# Altium PCB DIOT_Kasli_Adapter.PcbDoc (part 3 of 10)
Units mm, origin at the board's own origin, x right, y up, seen from the top; angles counter-clockwise.
Board outline 220.04 x 100 mm, 12 copper layers (Top Layer, L2GND, L3, L4, L5GND, L6, L7, L8GND, L9, L10, L11GND, Bottom Layer), stack 1.691 mm thick; 201 components, 445 nets, 1582 pads, 691 vias.
Unrouted connection lines stored in the file: 4.
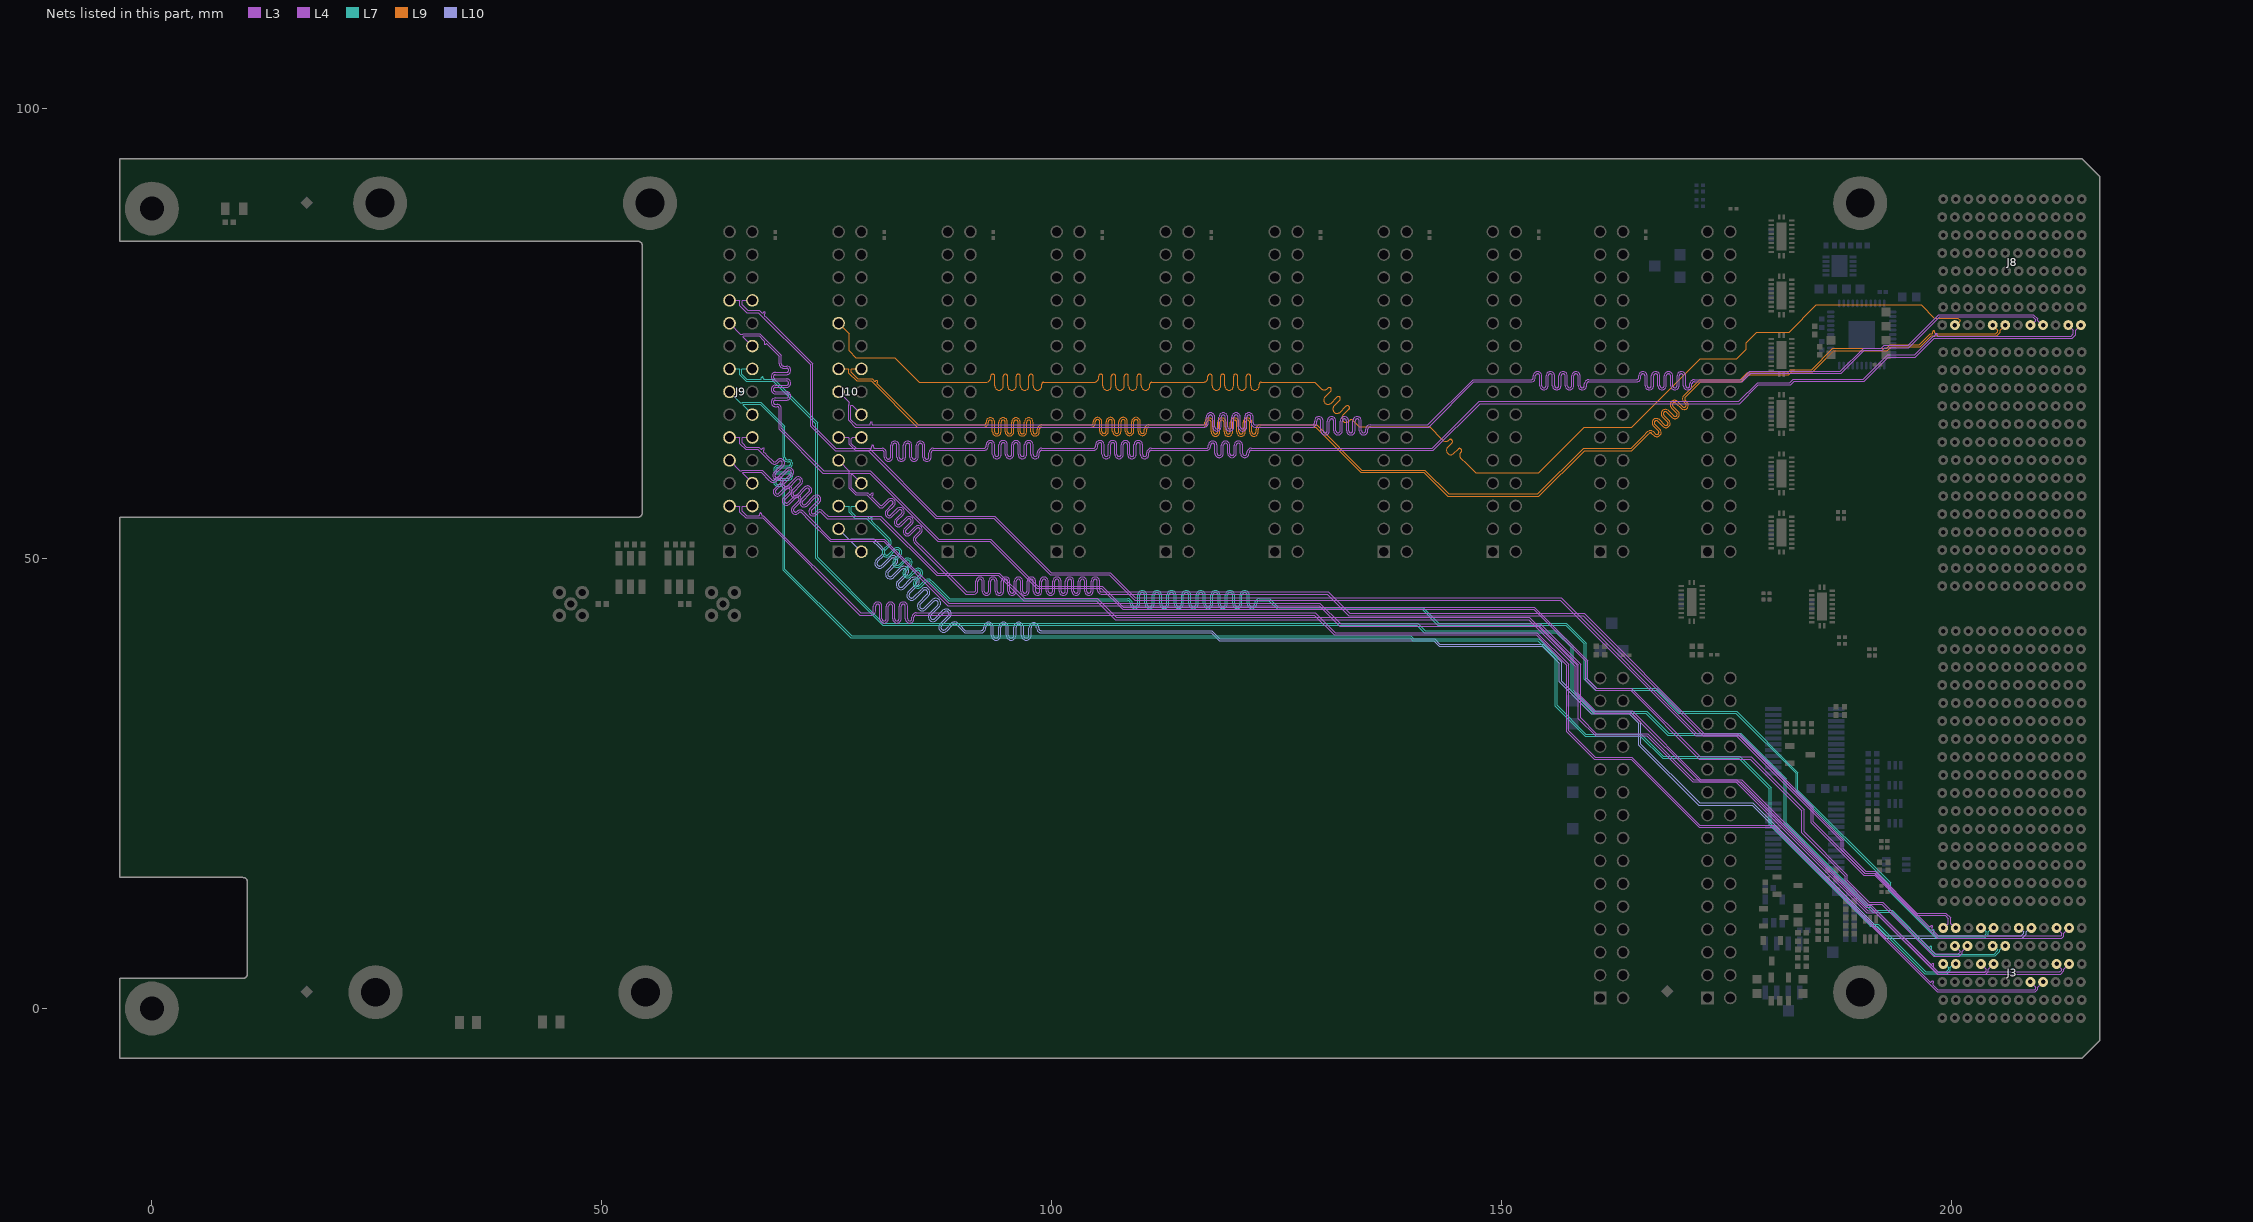
[diagram p13: the nets of this part, all layers, seen from the top]

## Via types
v1: diameter 0.5, hole 0.2, Top Layer to Bottom Layer, tented both sides, 649 vias
v2: diameter 0.5, hole 0.2, Top Layer to Bottom Layer, 32 vias
v3: diameter 0.65, hole 0.3, Top Layer to Bottom Layer, tented both sides, 6 vias
v4: diameter 0.8, hole 0.5, Top Layer to Bottom Layer, tented both sides, 4 vias

## Nets (pads, with @x,y where several pads share a name; then routed paths per layer and width w, separated by ;. In a path a pad name is that pad's centre, name@x,y a point inside that pad or via, vN(x,y) a via of type N, cw(c..) or ccw(c..) an arc to the next point about the centre after c; other vN are vias at no path point) (continued)
EXT0.LVDS_1_N: J3.E3 J9.6 | length 184.1
  L4 w0.089: J9.6@66.73,55.842 65.633,55.842 65.581,55.79 65.581,55.279 66.09,54.769 67.259,54.769 67.424,54.769 ccw(c67.424,54.877) 67.532,54.877 67.532,54.968 cw(c67.64,54.968) 67.748,54.968 67.748,54.877 ccw(c67.856,54.877) 67.856,54.769 67.964,54.769 68.224,54.508 78.77,43.963 79.781,43.963 79.947,43.963 ccw(c79.947,44.198) 80.181,44.198 80.181,44.694 cw(c80.658,44.694) 81.134,44.694 81.134,43.309 ccw(c81.369,43.309) 81.604,43.309 81.604,44.694 cw(c82.08,44.694) 82.556,44.694 82.556,43.309 ccw(c82.791,43.309) 83.026,43.309 83.026,44.694 cw(c83.503,44.694) 83.979,44.694 83.979,43.309 ccw(c84.214,43.309) 84.449,43.309 84.449,43.487 cw(c84.925,43.487) 84.925,43.963 85.932,43.963 129.292,43.963 131.481,41.774 153.92,41.774 157.455,38.239 157.455,30.88 160.41,27.925 164.478,27.925 172.036,20.367 180.215,20.367 197.585,2.996 197.617,2.965 ccw(c197.693,3.041) 197.769,2.965 197.813,3.009 cw(c197.89,2.932) 197.966,3.009 cw(c197.89,2.932) 197.966,2.856 197.922,2.812 ccw(c197.998,2.736) 197.922,2.659 198.195,2.386 198.49,2.091 209.223,2.091 209.348,2.216 209.348,2.371 J3.E3@208.769,2.95
EXT0.LVDS_1_P: J3.D3 J9.5 | length 184.1
  L4 w0.089: J9.5@64.19,55.842 65.287,55.842 65.339,55.79 65.339,55.179 65.99,54.528 67.864,54.528 78.67,43.721 79.781,43.721 79.947,43.721 ccw(c79.947,44.198) 80.423,44.198 80.423,44.694 cw(c80.658,44.694) 80.893,44.694 80.893,43.309 ccw(c81.369,43.309) 81.845,43.309 81.845,44.694 cw(c82.08,44.694) 82.315,44.694 82.315,43.309 ccw(c82.791,43.309) 83.268,43.309 83.268,44.694 cw(c83.503,44.694) 83.737,44.694 83.737,43.309 ccw(c84.214,43.309) 84.69,43.309 84.69,43.487 cw(c84.925,43.487) 84.925,43.721 85.932,43.721 129.192,43.721 131.381,41.533 153.82,41.533 157.213,38.139 157.213,30.78 160.31,27.684 164.378,27.684 171.936,20.125 180.115,20.125 198.39,1.85 209.323,1.85 209.589,2.116 209.589,2.371 J3.D3@210.169,2.95
EXT0.LVDS_2_N: J3.C4 J9.9 | length 184
  L4 w0.089: J9.9@64.19,60.922 65.338,59.774 65.546,59.774 65.601,59.83 67.804,59.83 68.745,58.889 68.862,58.772 ccw(c69.028,58.939) 69.194,58.773 69.388,58.967 69.392,58.967 cw(c69.689,58.594) 70.026,58.931 cw(c69.689,58.594) 70.026,58.258 69.353,57.585 ccw(c69.519,57.419) 69.352,57.253 ; 69.353,57.252 ccw(c69.519,57.419) 69.685,57.253 70.393,57.961 70.398,57.961 cw(c70.695,57.589) 71.032,57.925 cw(c70.695,57.589) 71.032,57.252 70.359,56.58 ccw(c70.525,56.413) 70.358,56.247 ; 70.359,56.246 ccw(c70.525,56.413) 70.691,56.247 71.399,56.955 71.403,56.955 cw(c71.701,56.583) 72.037,56.92 cw(c71.701,56.583) 72.037,56.246 71.365,55.574 ccw(c71.531,55.407) 71.364,55.241 ; 71.365,55.241 ccw(c71.531,55.407) 71.697,55.241 71.708,55.252 cw(c72.045,54.916) 72.382,55.252 73.174,54.46 75.46,52.174 81.405,52.174 88.557,45.022 129.807,45.022 132.093,42.736 154.315,42.736 158.77,38.28 158.77,32.295 160.536,30.529 166.233,30.529 171.346,25.415 176.665,25.415 190.595,11.485 191.065,11.485 198.489,4.061 212.037,4.061 212.248,4.272 212.248,4.371 J3.C4@211.669,4.95
EXT0.LVDS_2_P: J3.B4 J9.8 | length 184.1
  L4 w0.089: J9.8@66.73,58.382 65.649,59.463 65.649,59.536 65.701,59.589 67.704,59.589 68.574,58.719 68.69,58.603 ccw(c69.028,58.939) 69.364,58.602 69.522,58.76 ; 69.523,58.761 cw(c69.689,58.594) 69.855,58.761 cw(c69.689,58.594) 69.855,58.428 69.147,57.72 69.147,57.716 ccw(c69.519,57.419) 69.182,57.082 ccw(c69.519,57.419) 69.856,57.082 70.528,57.754 ; 70.529,57.755 cw(c70.695,57.589) 70.861,57.755 cw(c70.695,57.589) 70.861,57.423 70.153,56.714 70.153,56.71 ccw(c70.525,56.413) 70.862,56.076 71.534,56.749 ; 71.534,56.749 cw(c71.701,56.583) 71.867,56.749 cw(c71.701,56.583) 71.867,56.417 71.158,55.709 71.158,55.704 ccw(c71.531,55.407) 71.867,55.07 71.879,55.082 cw(c72.045,54.916) 72.211,55.082 73.003,54.29 75.36,51.933 81.305,51.933 88.457,44.78 129.707,44.78 131.993,42.494 154.215,42.494 158.529,38.18 158.529,32.195 160.436,30.287 166.133,30.287 171.246,25.174 176.565,25.174 190.495,11.244 190.965,11.244 198.389,3.82 212.137,3.82 212.489,4.172 212.489,4.371 J3.B4@213.069,4.95
EXT0.LVDS_3_N: J3.I4 J9.12 | length 184.1
  L3 w0.089: J9.12@66.73,63.462 65.633,63.462 65.581,63.41 65.581,62.884 66.065,62.399 67.44,62.399 67.497,62.341 67.656,62.183 ccw(c67.732,62.259) 67.808,62.183 67.882,62.257 cw(c67.958,62.18) 68.035,62.257 cw(c67.958,62.18) 68.035,62.104 67.961,62.03 ccw(c68.037,61.954) 67.961,61.878 68.145,61.694 68.348,61.49 69.025,60.814 ccw(c69.19,60.98) 69.357,60.814 69.53,60.988 69.535,60.988 cw(c69.832,60.616) 70.169,60.953 cw(c69.832,60.616) 70.169,60.279 69.295,59.405 ccw(c69.46,59.239) 69.294,59.073 ; 69.295,59.072 ccw(c69.46,59.239) 69.626,59.072 70.536,59.982 70.54,59.982 cw(c70.838,59.61) 71.174,59.947 cw(c70.838,59.61) 71.174,59.273 70.3,58.399 ccw(c70.466,58.233) 70.3,58.067 ; 70.3,58.066 ccw(c70.466,58.233) 70.632,58.067 71.542,58.976 71.546,58.976 cw(c71.843,58.604) 72.18,58.941 cw(c71.843,58.604) 72.18,58.268 71.306,57.394 ccw(c71.472,57.227) 71.305,57.061 ; 71.306,57.061 ccw(c71.472,57.227) 71.638,57.061 72.548,57.971 72.552,57.971 cw(c72.849,57.599) 73.186,57.935 cw(c72.849,57.599) 73.186,57.262 ; 72.311,56.056 cw(c72.478,56.221) 72.311,56.387 73.186,57.262 ; 72.312,56.055 ccw(c72.478,56.221) 72.644,56.055 73.554,56.965 73.558,56.965 cw(c73.855,56.593) 74.192,56.93 cw(c73.855,56.593) 74.192,56.256 73.318,55.382 ccw(c73.483,55.215) 73.317,55.05 ; 73.318,55.049 ccw(c73.483,55.215) 73.65,55.049 73.883,55.282 cw(c74.219,54.946) 74.556,55.282 74.673,55.166 75.146,54.693 81.004,54.693 87.312,48.385 94.177,48.385 96.982,45.58 105.042,45.58 107.15,43.472 153.086,43.472 158.427,38.131 158.427,35.067 160.428,33.066 164.529,33.066 172.15,25.444 176.11,25.444 190.67,10.884 191.698,10.884 197.633,4.949 197.665,4.917 ccw(c197.741,4.994) 197.817,4.917 197.852,4.952 cw(c197.928,4.876) 198.005,4.952 cw(c197.928,4.876) 198.005,4.8 197.97,4.765 ccw(c198.046,4.688) 197.97,4.612 198.09,4.492 198.546,4.036 203.697,4.036 203.848,4.187 203.848,4.371 J3.I4@203.269,4.95
EXT0.LVDS_3_P: J3.H4 J9.11 | length 184.1
  L3 w0.089: J9.11@64.19,63.462 65.287,63.462 65.339,63.41 65.339,62.784 65.965,62.158 67.34,62.158 68.178,61.32 68.853,60.644 ccw(c69.19,60.98) 69.527,60.644 69.665,60.782 cw(c69.832,60.616) 69.998,60.782 cw(c69.832,60.616) 69.998,60.45 69.088,59.54 69.088,59.536 ccw(c69.46,59.239) 69.797,58.902 70.671,59.776 cw(c70.838,59.61) 71.004,59.776 cw(c70.838,59.61) 71.004,59.444 70.094,58.534 70.094,58.53 ccw(c70.466,58.233) 70.129,57.896 ccw(c70.466,58.233) 70.803,57.896 71.677,58.77 cw(c71.843,58.604) 72.01,58.771 cw(c71.843,58.604) 72.01,58.438 71.1,57.528 71.1,57.524 ccw(c71.472,57.227) 71.809,56.89 72.683,57.764 cw(c72.849,57.599) 73.015,57.765 cw(c72.849,57.599) 73.015,57.432 72.106,56.523 72.106,56.519 ccw(c72.478,56.221) 72.814,55.885 73.688,56.758 ; 73.689,56.759 cw(c73.855,56.593) 74.021,56.759 cw(c73.855,56.593) 74.021,56.427 73.111,55.517 73.111,55.513 ccw(c73.483,55.215) 73.82,54.879 74.053,55.112 cw(c74.219,54.946) 74.386,55.112 74.502,54.995 75.046,54.451 80.904,54.451 87.212,48.144 94.077,48.144 96.882,45.339 104.942,45.339 107.05,43.231 152.986,43.231 158.185,38.031 158.185,34.967 160.328,32.825 164.429,32.825 172.051,25.203 176.01,25.203 190.57,10.643 191.598,10.643 198.446,3.795 203.797,3.795 204.089,4.087 204.089,4.371 J3.H4@204.669,4.95
EXT0.LVDS_4_N: J3.L4 J9.15 | length 184.2
  L7 w0.089: J9.15@64.19,68.542 64.274,68.542 64.274,68.458 65.386,67.346 65.637,67.346 65.663,67.373 67.674,67.373 70.354,64.693 70.354,62.052 70.354,61.239 ccw(c70.589,61.239) 70.589,61.004 70.751,61.004 cw(c70.751,60.554) 70.751,60.103 69.535,60.103 ccw(c69.535,59.868) 69.535,59.633 70.751,59.633 cw(c70.751,59.182) 70.751,58.731 69.535,58.731 ccw(c69.535,58.496) 69.535,58.261 69.903,58.261 cw(c69.903,57.81) 70.354,57.81 70.354,57.658 70.354,48.802 77.756,41.4 139.906,41.4 140.23,41.076 154.098,41.076 156.158,39.017 156.158,33.703 159.361,30.499 165.513,30.499 167.973,28.038 176.435,28.038 179.959,24.514 179.959,20.506 191.084,9.381 191.844,9.381 197.123,4.102 199.408,4.102 199.661,4.355 199.661,4.534 199.245,4.95 J3.L4@199.069,4.95
EXT0.LVDS_4_P: J3.K4 J9.14 | length 184.1
  L7 w0.089: J9.14@66.73,66.002 65.701,67.031 65.701,67.105 65.753,67.157 67.584,67.157 70.138,64.603 70.138,62.052 70.138,61.239 ccw(c70.589,61.239) 70.589,60.789 70.751,60.789 cw(c70.751,60.554) 70.751,60.319 69.535,60.319 ccw(c69.535,59.868) 69.535,59.417 70.751,59.417 cw(c70.751,59.182) 70.751,58.947 69.535,58.947 ccw(c69.535,58.496) 69.535,58.045 69.903,58.045 cw(c69.903,57.81) 70.138,57.81 70.138,57.658 70.138,48.713 77.666,41.184 139.817,41.184 140.14,40.86 154.009,40.86 155.942,38.927 155.942,33.613 159.272,30.283 165.423,30.283 167.884,27.822 176.345,27.822 179.743,24.424 179.743,20.416 190.945,9.214 190.945,9.165 191.754,9.165 197.033,3.886 199.497,3.886 199.877,4.265 199.877,4.561 200.266,4.95 J3.K4@200.469,4.95
EXT0.LVDS_5_N: J3.H5 J9.18 | length 184.2
  L7 w0.089: J9.18@66.73,71.082 65.59,71.082 65.538,71.03 65.538,70.507 66.114,69.932 67.386,69.932 67.634,69.932 ccw(c67.634,70.04) 67.742,70.04 67.742,70.088 cw(c67.85,70.088) 67.958,70.088 67.958,70.04 ccw(c68.066,70.04) 68.066,69.932 68.326,69.932 69.133,69.932 73.99,65.075 73.99,50.14 81.293,42.837 140.653,42.837 141.495,41.995 156.179,41.995 157.937,40.237 157.937,35.382 160.274,33.046 166.116,33.046 168.566,30.596 176.573,30.596 181.635,25.534 181.635,20.624 191.35,10.909 193.383,10.909 197.409,6.883 197.44,6.852 ccw(c197.517,6.928) 197.593,6.852 197.617,6.876 cw(c197.693,6.799) 197.769,6.876 cw(c197.693,6.799) 197.769,6.723 197.746,6.699 ccw(c197.822,6.623) 197.746,6.547 197.879,6.414 198.235,6.057 204.768,6.057 205.161,6.45 205.161,6.524 204.734,6.95 J3.H5@204.569,6.95
EXT0.LVDS_5_P: J3.G5 J9.17 | length 184.2
  L7 w0.089: J9.17@64.19,71.082 65.27,71.082 65.323,71.03 65.323,70.418 66.024,69.716 69.044,69.716 73.774,64.985 73.774,50.05 81.203,42.621 140.564,42.621 141.406,41.779 156.09,41.779 157.721,40.148 157.721,35.293 160.184,32.83 166.026,32.83 168.476,30.38 176.484,30.38 181.42,25.444 181.42,20.534 191.26,10.693 193.293,10.693 198.145,5.841 204.858,5.841 205.377,6.36 205.377,6.524 205.803,6.95 J3.G5@205.969,6.95
EXT0.LVDS_6_N: J3.K5 J9.21 | length 184
  L3 w0.089: J9.21@64.19,76.162 65.403,74.949 65.655,74.949 65.689,74.982 67.565,74.982 69.952,72.596 69.952,71.806 69.952,71.641 ccw(c70.187,71.641) 70.187,71.406 70.525,71.406 cw(c70.525,70.929) 70.525,70.453 69.298,70.453 ccw(c69.298,70.218) 69.298,69.983 70.525,69.983 cw(c70.525,69.507) 70.525,69.031 69.298,69.031 ccw(c69.298,68.796) 69.298,68.561 70.525,68.561 cw(c70.525,68.085) 70.525,67.608 69.298,67.608 ccw(c69.298,67.373) 69.298,67.139 69.475,67.139 cw(c69.475,66.662) 69.952,66.662 69.952,66.091 69.952,64.465 74.667,59.75 79.848,59.75 87.448,52.15 93.205,52.15 98.428,46.927 105.628,46.927 107.965,44.59 153.643,44.59 159.567,38.666 159.567,36.605 160.553,35.62 164.423,35.62 172.079,27.964 177.736,27.964 183.617,22.084 183.617,19.619 188.42,14.816 188.42,14.277 190.862,11.834 192.34,11.834 198.105,6.07 200.749,6.07 200.948,6.269 200.948,6.371 J3.K5@200.369,6.95
EXT0.LVDS_6_P: J3.J5 J9.20 | length 184.1
  L3 w0.089: J9.20@66.73,73.622 65.737,74.615 65.737,74.689 65.789,74.741 67.466,74.741 67.89,74.316 68.074,74.132 cw(c67.998,74.056) 68.074,73.98 ccw(c68.151,73.903) 68.074,73.827 ccw(c68.151,73.903) 68.227,73.827 cw(c68.303,73.751) 68.38,73.827 68.551,73.656 69.71,72.496 69.71,71.806 69.71,71.641 ccw(c70.187,71.641) 70.187,71.164 70.525,71.164 cw(c70.525,70.929) 70.525,70.695 69.298,70.695 ccw(c69.298,70.218) 69.298,69.742 70.525,69.742 cw(c70.525,69.507) 70.525,69.272 69.298,69.272 ccw(c69.298,68.796) 69.298,68.32 70.525,68.32 cw(c70.525,68.085) 70.525,67.85 69.298,67.85 ccw(c69.298,67.373) 69.298,66.897 69.475,66.897 cw(c69.475,66.662) 69.71,66.662 69.71,66.091 69.71,64.365 74.567,59.509 79.748,59.509 87.348,51.909 93.105,51.909 98.328,46.685 105.529,46.685 107.865,44.348 153.543,44.348 159.326,38.566 159.326,36.506 160.453,35.379 164.323,35.379 171.979,27.723 177.636,27.723 183.375,21.984 183.375,19.519 188.178,14.716 188.178,14.177 190.762,11.593 192.24,11.593 198.005,5.829 200.849,5.829 201.189,6.169 201.189,6.371 J3.J5@201.769,6.95
EXT0.LVDS_7_N: J3.C6 J9.24 | length 184.2
  L3 w0.089: J9.24@66.73,78.702 65.633,78.702 65.581,78.65 65.581,78.196 66.188,77.589 67.492,77.589 67.587,77.493 67.758,77.322 ccw(c67.835,77.399) 67.911,77.322 67.968,77.38 cw(c68.044,77.303) 68.121,77.38 cw(c68.044,77.303) 68.121,77.227 68.064,77.17 ccw(c68.14,77.093) 68.064,77.017 68.248,76.833 73.452,71.629 73.452,64.807 76.017,62.242 79.706,62.242 87.234,54.714 93.665,54.714 99.954,48.425 106.508,48.425 109.299,45.634 156.617,45.634 171.688,30.562 176.484,30.562 184.652,22.394 184.652,20.737 190.336,15.054 191.562,15.054 197.466,9.15 197.497,9.119 ccw(c197.574,9.195) 197.65,9.119 197.701,9.17 cw(c197.778,9.094) 197.854,9.17 cw(c197.778,9.094) 197.854,9.018 197.803,8.966 ccw(c197.879,8.89) 197.803,8.814 197.936,8.681 198.54,8.077 212.173,8.077 212.248,8.151 212.248,8.371 J3.C6@211.669,8.95
EXT0.LVDS_7_P: J3.B6 J9.23 | length 184.2
  L3 w0.089: J9.23@64.19,78.702 65.287,78.702 65.339,78.65 65.339,78.096 66.088,77.348 67.392,77.348 73.211,71.529 73.211,64.707 75.917,62.001 79.606,62.001 87.134,54.473 93.565,54.473 99.854,48.184 106.408,48.184 109.199,45.393 156.517,45.393 171.588,30.321 176.384,30.321 184.411,22.294 184.411,20.637 190.236,14.813 191.462,14.813 198.44,7.835 212.273,7.835 212.489,8.051 212.489,8.371 J3.B6@213.069,8.95
EXT1.LVDS_0_N: J3.F6 J10.3 | length 187.5
  L10 w0.089: J10.3@76.309,53.302 76.393,53.302 76.393,53.218 77.457,52.154 77.709,52.154 77.742,52.188 80.219,52.188 80.884,51.523 81.345,51.062 81.345,51.059 cw(c80.928,50.716) 81.309,50.334 80.658,49.683 ccw(c80.869,49.472) 80.658,49.261 ccw(c80.869,49.472) 81.079,49.26 81.982,50.163 cw(c82.363,49.781) 82.745,50.163 cw(c82.363,49.781) 82.745,49.399 81.844,48.498 ccw(c82.055,48.287) 81.844,48.076 ccw(c82.055,48.287) 82.265,48.075 83.167,48.977 cw(c83.549,48.595) 83.931,48.977 cw(c83.549,48.595) 83.931,48.214 83.029,47.312 ccw(c83.24,47.101) 83.029,46.89 ccw(c83.24,47.101) 83.45,46.889 84.353,47.792 cw(c84.734,47.41) 85.116,47.792 cw(c84.734,47.41) 85.116,47.028 ; 85.115,47.028 84.214,46.127 ccw(c84.425,45.916) 84.214,45.705 ccw(c84.425,45.916) 84.635,45.704 85.538,46.606 cw(c85.92,46.225) 86.301,46.606 cw(c85.92,46.225) 86.301,45.843 85.4,44.941 ccw(c85.611,44.73) 85.399,44.52 85.4,44.519 ccw(c85.611,44.73) 85.821,44.518 86.723,45.421 cw(c87.105,45.039) 87.487,45.421 cw(c87.105,45.039) 87.487,44.658 ; 87.486,44.657 86.585,43.756 ccw(c86.796,43.545) 86.585,43.334 ccw(c86.796,43.545) 87.006,43.333 87.908,44.235 ; 87.909,44.236 cw(c88.29,43.854) 88.633,44.271 88.637,44.271 88.707,44.2 88.707,44.197 cw(c88.29,43.854) 88.672,43.472 87.77,42.57 ccw(c87.982,42.36) 87.771,42.149 ccw(c87.982,42.36) 88.193,42.149 88.844,42.8 cw(c89.225,42.418) 89.568,42.835 89.572,42.835 89.724,42.683 90.406,42.001 91.973,42.001 92.139,42.001 ccw(c92.139,42.3) 92.437,42.3 92.437,42.389 cw(c92.977,42.389) 93.516,42.389 93.516,41.47 ccw(c93.815,41.47) 94.113,41.47 94.113,42.389 cw(c94.653,42.389) 95.193,42.389 95.193,41.47 ccw(c95.491,41.47) 95.79,41.47 95.79,42.389 cw(c96.33,42.389) 96.869,42.389 96.869,41.47 ccw(c97.168,41.47) 97.466,41.47 97.466,42.331 cw(c98.006,42.331) 98.546,42.331 98.546,42.3 ccw(c98.844,42.3) 98.844,42.001 99.84,42.001 117.802,42.001 118.695,41.108 142.537,41.108 143.14,40.505 154.63,40.505 156.667,38.468 156.667,36.398 160.071,32.994 164.273,32.994 165.456,31.812 165.456,29.373 171.987,22.842 177.933,22.842 192.701,8.073 207.744,8.073 208.048,8.377 208.048,8.543 207.735,8.856 207.735,8.95 J3.F6@207.469,8.95
EXT1.LVDS_0_P: J3.E6 J10.2 | length 187.5
  L10 w0.089: J10.2@78.849,50.762 77.79,51.821 77.79,51.894 77.842,51.946 80.119,51.946 80.714,51.352 81.138,50.928 cw(c80.928,50.716) 81.139,50.505 80.488,49.854 ccw(c80.869,49.472) 80.488,49.09 ccw(c80.869,49.472) 81.251,49.09 ; 81.251,49.091 82.152,49.992 cw(c82.363,49.781) 82.575,49.992 cw(c82.363,49.781) 82.575,49.571 81.673,48.668 ccw(c82.055,48.287) 81.673,47.905 ccw(c82.055,48.287) 82.436,47.905 83.338,48.806 cw(c83.549,48.595) 83.76,48.806 cw(c83.549,48.595) 83.761,48.385 82.858,47.483 ccw(c83.24,47.101) 82.858,46.72 ccw(c83.24,47.101) 83.622,46.72 ; 83.622,46.72 84.523,47.621 cw(c84.734,47.41) 84.945,47.621 cw(c84.734,47.41) 84.946,47.2 84.044,46.297 ccw(c84.425,45.916) 84.044,45.534 ccw(c84.425,45.916) 84.807,45.534 ; 84.808,45.535 85.709,46.436 cw(c85.92,46.225) 86.131,46.436 cw(c85.92,46.225) 86.132,46.015 85.229,45.112 ccw(c85.611,44.73) 85.229,44.349 ccw(c85.611,44.73) 85.992,44.349 86.894,45.25 cw(c87.105,45.039) 87.316,45.25 cw(c87.105,45.039) 87.317,44.829 86.415,43.927 ccw(c86.796,43.545) 86.415,43.163 ccw(c86.796,43.545) 87.178,43.163 ; 87.178,43.164 88.08,44.066 cw(c88.29,43.854) 88.501,44.065 ; 88.502,44.064 cw(c88.29,43.854) 88.501,43.643 87.6,42.742 ccw(c87.982,42.36) 87.6,41.978 ccw(c87.982,42.36) 88.363,41.978 89.014,42.629 cw(c89.225,42.418) 89.437,42.629 89.553,42.512 90.306,41.76 91.973,41.76 92.139,41.76 ccw(c92.139,42.3) 92.678,42.3 92.678,42.389 cw(c92.977,42.389) 93.275,42.389 93.275,41.47 ccw(c93.815,41.47) 94.355,41.47 94.355,42.389 cw(c94.653,42.389) 94.952,42.389 94.952,41.47 ccw(c95.491,41.47) 96.031,41.47 96.031,42.389 cw(c96.33,42.389) 96.628,42.389 96.628,41.47 ccw(c97.168,41.47) 97.707,41.47 97.707,42.331 cw(c98.006,42.331) 98.304,42.331 98.304,42.3 ccw(c98.844,42.3) 98.844,41.76 99.84,41.76 117.702,41.76 118.595,40.867 142.437,40.867 143.04,40.264 154.53,40.264 156.426,38.368 156.426,36.298 159.971,32.753 164.173,32.753 165.214,31.712 165.214,29.274 171.888,22.6 177.833,22.6 192.601,7.832 207.844,7.832 208.289,8.277 208.289,8.543 208.603,8.856 208.603,8.95 J3.E6@208.869,8.95
EXT1.LVDS_1_N: J3.I6 J10.6 | length 187.4
  L7 w0.089: J10.6@78.849,55.842 77.751,55.842 77.699,55.79 77.699,55.23 78.222,54.707 79.481,54.707 79.553,54.635 79.686,54.503 ccw(c79.762,54.579) 79.838,54.503 79.891,54.556 cw(c79.968,54.479) 80.044,54.556 cw(c79.968,54.479) 80.044,54.403 79.991,54.35 ccw(c80.067,54.274) 79.991,54.197 80.175,54.013 80.751,53.437 82.042,52.147 82.042,52.144 cw(c81.646,51.815) 82.01,51.451 81.459,50.9 ccw(c81.669,50.688) 81.458,50.478 81.459,50.477 ccw(c81.669,50.688) 81.88,50.477 82.498,51.095 82.501,51.095 cw(c82.83,50.7) 83.194,51.063 cw(c82.83,50.7) 83.194,50.336 82.608,49.75 ; 82.608,49.75 ccw(c82.819,49.539) 82.607,49.328 82.608,49.327 ccw(c82.819,49.539) 83.03,49.328 83.648,49.945 83.651,49.945 cw(c83.98,49.55) 84.343,49.914 cw(c83.98,49.55) 84.343,49.186 83.758,48.601 ; 83.757,48.6 ccw(c83.968,48.389) 83.757,48.179 83.758,48.178 ccw(c83.968,48.389) 84.179,48.178 84.797,48.796 84.8,48.796 cw(c85.129,48.401) 85.493,48.764 cw(c85.129,48.401) 85.493,48.037 84.907,47.451 ; 84.907,47.451 ccw(c85.118,47.24) 84.906,47.029 84.907,47.028 ccw(c85.118,47.24) 85.329,47.029 85.88,47.58 cw(c86.244,47.217) 86.573,47.612 86.576,47.612 86.716,47.473 88.638,45.55 107.755,45.55 108.433,45.55 cw(c108.433,45.036) 108.947,45.036 108.947,44.96 ccw(c109.245,44.96) 109.544,44.96 109.544,45.925 cw(c110.058,45.925) 110.573,45.925 110.573,44.96 ccw(c110.871,44.96) 111.169,44.96 111.169,45.925 cw(c111.684,45.925) 112.198,45.925 112.198,44.96 ccw(c112.497,44.96) 112.795,44.96 112.795,45.925 cw(c113.309,45.925) 113.824,45.925 113.824,44.96 ccw(c114.122,44.96) 114.421,44.96 114.421,45.925 cw(c114.935,45.925) 115.449,45.925 115.449,44.96 ccw(c115.748,44.96) 116.046,44.96 116.046,45.925 cw(c116.561,45.925) 117.075,45.925 117.075,44.96 ccw(c117.373,44.96) 117.672,44.96 117.672,45.925 cw(c118.186,45.925) 118.701,45.925 118.701,44.96 ccw(c118.999,44.96) 119.297,44.96 119.297,45.925 cw(c119.812,45.925) 120.326,45.925 120.326,44.96 ccw(c120.625,44.96) 120.923,44.96 120.923,45.925 cw(c121.437,45.925) 121.952,45.925 121.952,44.96 ccw(c122.25,44.96) 122.549,44.96 122.549,45.036 cw(c123.063,45.036) 123.063,45.55 123.215,45.55 124.232,45.55 125.218,44.565 141.262,44.565 142.99,42.836 157.189,42.836 159.41,40.615 159.41,36.678 160.515,35.573 167.246,35.573 169.773,33.046 176.104,33.046 182.931,26.219 182.931,24.258 193.218,13.971 193.218,13.156 197.675,8.699 197.706,8.668 ccw(c197.783,8.744) 197.859,8.668 197.895,8.704 cw(c197.972,8.627) 198.048,8.704 cw(c197.972,8.627) 198.048,8.551 198.012,8.515 ccw(c198.088,8.439) 198.012,8.362 198.132,8.242 198.31,8.064 203.59,8.064 203.861,8.334 203.861,8.534 203.445,8.95 J3.I6@203.269,8.95